# KiCad board misrc_v2.5-rounded.kicad_pcb (continued)
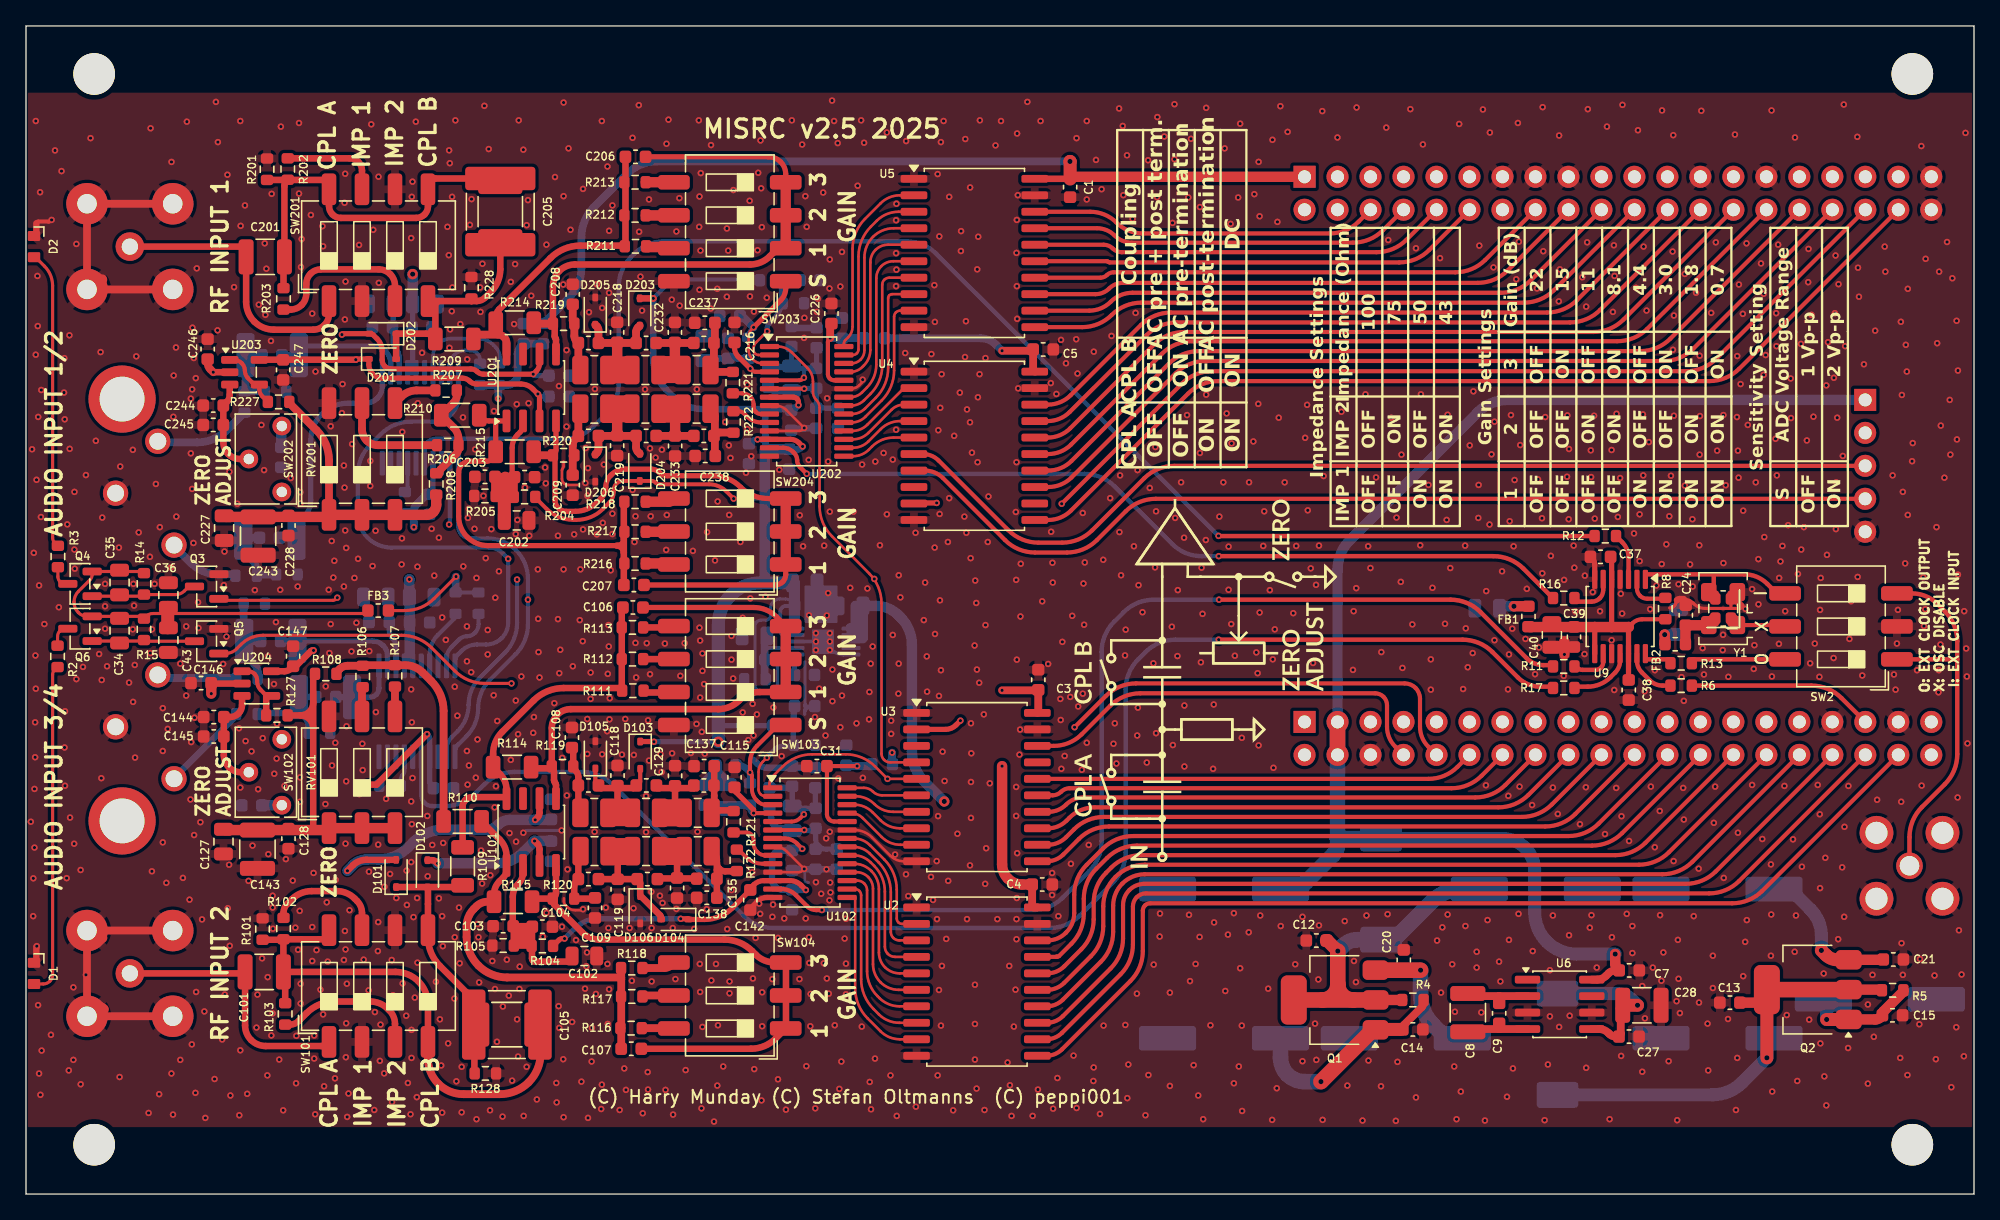
[diagram p0: board, top side]
## Routing (per net, layer and track width the routed paths; a pad name or vN(x,y) marks a point on that pad's centre or on a via; arc(x,y) is an arc through that point) (continued)
Net-(C107-Pad2): length 41
  Top w0.5: U101.4 40.81,23.18 arc(40.78,23.02) 40.69,22.88 40.58,22.77 ; 40.56,22.74 40.56,22.59 arc(40.6,22.43) 40.68,22.3 42.83,20.16 arc(43.44,19.75) 44.15,19.61 53.78,19.61 arc(54.94,19.38) 55.92,18.72 56.19,18.45 arc(56.87,18) 57.66,17.84 58.52,17.84 58.52,12.76 ; 40.56,22.74 arc(40.57,22.75) 40.58,22.76 ; 40.56,22.74 arc(40.56,22.75) 40.54,22.76 ; 40.58,22.76 40.61,22.76 ; 40.58,22.76 arc(40.58,22.77) 40.58,22.77 ; 40.54,22.76 39.37,22.76 arc(39.22,22.73) 39.08,22.64 R115.2 ; 40.54,22.76 arc(40.56,22.76) 40.58,22.77 ; C107.2 55.83,11.19 arc(56.85,11.4) 57.72,11.98 SW104.1
Net-(C108-Pad2): length 5.4
  Top w0.5: 42.69,29.19 42.61,29.27 arc(42.55,29.36) 42.53,29.46 42.53,32.13 arc(42.48,32.39) 42.33,32.61 42.14,32.8 42.14,34.15 arc(42.12,34.21) 42.09,34.27 42.04,34.32
Net-(C109-Pad1): length 5.6
  Top w0.5: C109.1 43.78,22.79 arc(43.75,22.77) 43.71,22.76 42.25,22.76 ; 42.19,22.73 42.16,22.71 ; 42.19,22.73 arc(42.21,22.76) 42.21,22.8 ; 42.19,22.73 arc(42.22,22.75) 42.25,22.76 ; 42.25,22.76 arc(42.22,22.77) 42.21,22.8 ; 42.7,26.46 42.62,26.37 arc(42.55,26.28) 42.53,26.17 42.53,24.49 arc(42.49,24.28) 42.37,24.11 arc(42.26,23.93) 42.21,23.72 42.21,22.8
Net-(C127-Pad1): length 29.6
  Top w0.5: 21.13,36.88 R127.1 ; 21.13,36.88 arc(21.83,37.17) 22.12,37.86 ; 21.13,36.88 arc(21.83,36.59) 22.12,35.9 ; 22.12,37.86 22.12,40.21 arc(22.12,40.21) 22.12,40.21 22.25,40.21 ; 22.12,37.86 22.12,35.9 ; 22.12,35.9 22.12,28.04
  Top w0.8: C127.1 15.24,28.07 arc(15.27,28.05) 15.31,28.04 C143.2 23.07,28.04 arc(23.17,28.06) 23.26,28.12 arc(23.34,28.18) 23.44,28.19 SW102.3
Net-(C129-Pad2): length 6.9
  Top w0.5: 49.96,29.19 50.65,29.19 ; 49.96,29.19 49.9,29.19 ; 49.96,29.19 arc(49.95,29.2) 49.95,29.22 ; 49.9,29.19 48.82,29.19 ; 49.9,29.19 arc(49.93,29.2) 49.95,29.22 ; 51.42,31.28 51.42,31.28 arc(51.42,31.28) 51.42,31.28 48.54,31.28 ; 49.98,31.27 49.98,29.27 arc(49.97,29.24) 49.95,29.22
Net-(C130-Pad2): length 7.3
  Top w0.5: 50.13,24.41 50.13,26.25 50.03,26.36 ; 51.65,24.28 51.63,24.3 arc(51.61,24.31) 51.58,24.32 48.62,24.32 ; 49.79,26.46 48.83,26.46 ; 49.79,26.46 50.07,26.46 ; 49.79,26.46 arc(49.92,26.43) 50.03,26.36 ; 50.07,26.46 50.65,26.46 ; 50.07,26.46 arc(50.02,26.42) 50.03,26.36
Net-(C134-Pad2): length 6.3
  Top w0.5: 52.97,31.28 52.97,31.31 arc(52.98,31.33) 52.98,31.33 ; R121.1 54.46,29.54 arc(54.42,29.56) 54.39,29.56 53.37,29.56 arc(53.1,29.68) 52.99,29.95 ; 52.99,31.36 52.99,32.84 ; 52.99,31.36 52.99,31.33 ; 52.99,31.36 arc(52.99,31.34) 52.98,31.33 ; 52.99,30.71 52.99,29.95 ; 52.99,30.71 52.99,31.33 ; 52.99,30.71 52.99,29.95 ; 52.99,29.95 52.99,29.52 arc(52.97,29.4) 52.89,29.29 52.8,29.19 ; 52.99,31.33 arc(52.99,31.34) 52.98,31.33
Net-(C135-Pad2): length 6.1
  Top w0.5: 53.2,24.98 53.2,25.52 ; 53.2,24.98 53.2,22.7 ; 53.2,24.98 arc(53.27,25.08) 53.39,25.06 ; 53.2,25.52 53.2,25.77 arc(53.15,26.04) 53,26.26 52.8,26.46 ; 53.2,25.52 arc(53.25,25.27) 53.39,25.06 ; R122.1 54.37,24.89 arc(54.36,24.88) 54.35,24.88 arc(54.34,24.87) 54.32,24.87 53.85,24.87 arc(53.6,24.92) 53.39,25.06
Net-(C201-Pad2): length 31.3
  Top w0.5: C205.1 31.5,78.25 arc(31.29,78.2) 31.11,78.09 arc(31,77.91) 30.95,77.7 30.95,76.12 arc(30.88,75.77) 30.69,75.47 arc(30.39,75.28) 30.05,75.21 24.25,75.21 arc(23.9,75.28) 23.6,75.48 arc(23.4,75.77) 23.33,76.12 23.33,77.96 arc(23.32,78.02) 23.28,78.08 arc(23.22,78.12) 23.15,78.14 20.12,78.14 ; 20.12,78.14 20.1,78.14 ; 20.12,78.14 arc(20.12,78.14) 20.12,78.14 ; 20.1,78.14 R201.2 ; 20.1,78.14 arc(20.11,78.14) 20.12,78.14 ; R203.2 19.83,72.08 arc(19.84,72.13) 19.86,72.17 arc(19.89,72.21) 19.9,72.26 19.9,77.71 arc(19.93,77.88) 20.03,78.02 20.15,78.14 arc(20.15,78.15) 20.14,78.15 20.13,78.15 arc(20.13,78.15) 20.12,78.14
Net-(C206-Pad2): length 43.2
  Top w0.4: 47.71,79.92 57.17,79.92 arc(57.68,79.82) 58.11,79.53 arc(58.4,79.09) 58.5,78.58 SW203.4
  Top w0.5: 40.58,67.06 40.64,67 arc(40.69,66.92) 40.71,66.83 40.71,66.09 arc(40.72,66.02) 40.76,65.96 arc(40.8,65.91) 40.81,65.84 U201.5 ; 40.58,67.06 40.57,67.07 ; 40.58,67.06 arc(40.58,67.07) 40.58,67.07 ; 40.58,67.07 40.58,69.93 arc(40.7,70.58) 41.07,71.13 arc(41.62,71.49) 42.27,71.62 55.76,71.62 arc(56.58,71.78) 57.27,72.25 57.69,72.66 arc(57.92,72.82) 58.2,72.88
  Top w0.6: 39.09,67.07 40.57,67.07 arc(40.57,67.07) 40.57,67.07
  Top w0.8: SW203.4 SW203.3 ; SW203.3 58.5,75.42 ; SW203.3 58.5,75.41 ; SW203.3 58.5,75.41 ; 58.5,75.41 58.5,73.18 arc(58.41,72.96) 58.2,72.88
Net-(C207-Pad2): length 45.8
  Top w0.4: SW204.3 57.14,53.59 arc(56,53.82) 55.02,54.47 arc(54.05,55.12) 52.9,55.35 49.37,55.35 arc(49.04,55.41) 48.76,55.6 arc(48.48,55.79) 48.15,55.85 46.12,55.85 arc(45.56,55.74) 45.08,55.42 45.01,55.35 arc(44.74,54.95) 44.65,54.48 arc(44.55,54.01) 44.29,53.62 43.96,53.29 arc(43.2,52.78) 42.31,52.6 41.6,52.6 arc(41.27,52.67) 40.99,52.86 arc(40.8,53.14) 40.74,53.47 40.74,56.65 arc(40.71,56.75) 40.66,56.84 ; SW204.1 58.5,47.74 arc(58.44,47.43) 58.26,47.17 arc(58,46.99) 57.68,46.93 C207.2 ; U201.4 40.81,57.32 arc(40.78,57.17) 40.69,57.04 40.66,57 arc(40.62,56.92) 40.66,56.84 ; 40.66,56.84 arc(40.57,56.9) 40.46,56.92
  Top w0.6: R215.2 39.23,57.06 arc(39.38,56.96) 39.56,56.92 40.46,56.92 arc(40.57,56.94) 40.66,57
  Top w0.8: SW204.1 SW204.3
Net-(C208-Pad2): length 5.2
  Top w0.6: C208.2 42.1,67.28 arc(42.12,67.2) 42.16,67.13 arc(42.21,67.06) 42.22,66.98 42.22,66.1 arc(42.26,65.9) 42.38,65.73 arc(42.49,65.56) 42.53,65.36 42.53,63.75 arc(42.55,63.65) 42.61,63.57 L201.1
Net-(C209-Pad1): length 5.5
  Top w0.6: 42.1,56.83 C209.1 ; 42.1,56.83 42.1,56.91 ; 42.1,56.83 arc(42.11,56.87) 42.12,56.89 ; R220.2 42.19,56.92 arc(42.15,56.91) 42.12,56.89 ; 42.1,56.91 42.1,57.68 arc(42.16,57.96) 42.32,58.2 arc(42.48,58.44) 42.53,58.72 42.53,60.25 arc(42.55,60.35) 42.61,60.43 L202.2 ; 42.1,56.91 arc(42.11,56.89) 42.12,56.89
Net-(C227-Pad1): length 27.7
  Top w0.6: R227.1 20.28,60.99 arc(20.28,60.95) 20.31,60.92 22.38,58.84 arc(23.09,57.79) 23.33,56.54 23.33,52.44 arc(23.37,52.36) 23.45,52.33
  Top w0.8: C227.1 15.3,52.22 arc(15.35,52.18) 15.4,52.17 C243.2 23.07,52.17 arc(23.17,52.19) 23.26,52.25 ; R208.2 31.59,53.09 arc(31.53,52.8) 31.36,52.55 arc(31.12,52.39) 30.82,52.33 SW202.3 23.45,52.33 arc(23.34,52.31) 23.26,52.25 ; 23.26,52.25 arc(23.31,52.34) 23.33,52.44
Net-(C229-Pad2): length 7.3
  Top w0.6: C234.1 C229.2
  Top w0.8: 49.82,63.63 49.97,63.78 C232.2 ; 49.82,63.63 arc(49.66,63.53) 49.47,63.49 ; 49.82,63.63 arc(49.8,63.54) 49.88,63.49 ; 49.47,63.49 L203.2 ; 49.47,63.49 49.88,63.49 ; 49.88,63.49 L205.1
Net-(C230-Pad2): length 7.3
  Top w0.6: C230.2 C235.1
  Top w0.8: 49.46,60.51 L204.1 ; 49.46,60.51 49.89,60.51 ; 49.46,60.51 arc(49.66,60.47) 49.83,60.35 ; 49.83,60.35 49.98,60.2 C233.2 ; 49.83,60.35 arc(49.81,60.45) 49.89,60.51 ; 49.89,60.51 L206.2
Net-(C234-Pad2): length 5.4
  Top w0.6: C237.2 53.05,65.7 arc(53.04,65.65) 53.01,65.61 arc(52.98,65.57) 52.97,65.52 52.97,63.94 arc(52.94,63.77) 52.84,63.62 52.78,63.56 arc(52.75,63.49) 52.78,63.42 arc(52.86,63.36) 52.96,63.34 54.38,63.34
Net-(C235-Pad2): length 5.4
  Top w0.6: L206.1 52.88,60.34 arc(53,60.15) 53.05,59.94 53.05,56.87 ; C235.2 53.1,58.54 arc(53.25,58.64) 53.42,58.67 54.5,58.67
Net-(C302-Pad1): length 7
  Bottom w0.5: C303.1 16.91,64.64 arc(16.91,64.63) C302.1
  Bottom w0.6: R303.2 18.38,61.84 arc(18.36,61.85) 18.34,61.86 16.89,61.86 arc(16.86,61.87) 16.87,61.9 arc(16.9,61.95) 16.91,62.01 C302.1 arc(16.91,64.63) 16.91,64.64 ; 16.86,64.52 16.86,65.9 ; 16.91,64.64 16.87,64.67 ; 16.91,64.64 arc(16.91,64.63) 16.91,64.64
Net-(C304-Pad1): length 5.9
  Bottom w0.6: 17.97,50.56 17.97,50.56 arc(17.97,50.57) 17.97,50.57 16.75,50.57 arc(16.74,50.57) 16.74,50.56 arc(16.74,50.56) 16.73,50.55 16.73,50.04 arc(16.83,49.57) 17.1,49.16 17.44,48.82 arc(17.65,48.51) 17.72,48.14 17.72,47.74 arc(17.72,47.74) 17.73,47.74 arc(17.73,47.74) 17.73,47.73 R304.2
Net-(C402-Pad1): length 7.4
  Bottom w0.6: R403.2 16.76,42.7 arc(16.76,42.67) 16.78,42.64 16.8,42.62 ; 17.85,39.75 17.85,40.17 arc(17.77,40.56) 17.55,40.89 17.15,41.28 arc(16.9,41.67) 16.81,42.12 16.81,42.6 ; 16.81,42.6 arc(16.81,42.61) 16.8,42.62 ; 16.81,42.6 arc(16.81,42.61) 16.81,42.61 ; 16.8,42.62 16.81,42.61 ; 16.81,42.61 arc(16.82,42.6) 16.83,42.6 18.05,42.6 arc(18.06,42.6) 18.06,42.61 18.05,42.61
Net-(C404-Pad1): length 7.5
  Bottom w0.5: 17.84,37.06 20.25,37.06 arc(20.54,37.12) 20.79,37.28 arc(20.96,37.53) 21.02,37.83 21.02,37.9 21.02,37.75 arc(21.12,37.26) 21.4,36.84 21.45,36.79 arc(21.69,36.43) 21.77,36 R404.2 ; C404.1 21.03,38.3
Net-(D1-A): length 25.5
  Top w0.24: 0.8,16.19 1.32,16.19 arc(1.6,16.24) 1.84,16.4 arc(2,16.63) 2.05,16.91 2.05,40.02 arc(2.1,40.24) 2.22,40.43 2.38,40.59 arc(2.4,40.6) 2.41,40.6 2.37,40.6
Net-(D2-A): length 22.8
  Top w0.24: R3.2 2.44,49.95 arc(2.42,49.95) 2.41,49.96 2.24,50.13 arc(2.1,50.34) 2.05,50.58 2.05,69.98 arc(1.89,70.8) 1.43,71.49 0.82,72.09 arc(0.81,72.12) 0.8,72.15 0.8,72.19
Net-(D101-K): length 20.6
  Top w0.5: 33.62,23.66 33.62,23.66 arc(33.61,23.65) 33.61,23.65 D101.1 ; 34.58,9.47 34.55,9.5 arc(34.53,9.52) 34.53,9.56 34.53,14.05 arc(34.37,14.85) 33.91,15.53 31.88,17.57 arc(31.19,18.59) 30.95,19.8 30.95,23.55 arc(30.95,23.58) 30.93,23.6 D102.2
Net-(D103-A): length 9.8
  Top w0.32: 43.84,32.56 43.84,31.69 arc(43.87,31.53) 43.96,31.4 arc(44.09,31.31) 44.25,31.28 ; 47.3,32.61 47.3,31.8 arc(47.26,31.6) 47.14,31.43 arc(46.98,31.32) 46.78,31.28
  Top w0.5: 45.55,31.37 45.55,29.3 arc(45.54,29.26) 45.52,29.22 ; 46.78,31.28 44.25,31.28 ; 45.53,29.19 45.44,29.19 ; 45.53,29.19 46.67,29.19 ; 45.53,29.19 arc(45.51,29.2) 45.52,29.22 ; 45.44,29.19 44.84,29.19 ; 45.44,29.19 arc(45.48,29.2) 45.52,29.22
Net-(D104-A): length 11.5
  Top w0.32: 43.97,24.16 43.86,24.05
  Top w0.5: 48.91,21.18 48.91,21.28 arc(48.89,21.38) 48.84,21.46 47.29,23.01 47.29,23.94 arc(47.27,24.08) 47.18,24.21 47.1,24.29 arc(47.07,24.3) 47.05,24.29 arc(47.02,24.27) 46.98,24.26 44.24,24.26 arc(44.09,24.24) 43.97,24.16 ; C119.2 45.56,26.15 arc(45.58,26.27) 45.65,26.37 ; 45.61,26.46 44.85,26.46 ; 45.61,26.46 45.86,26.46 ; 45.61,26.46 arc(45.66,26.43) 45.65,26.37 ; 45.86,26.46 46.67,26.46 ; 45.86,26.46 arc(45.75,26.43) 45.65,26.37
Net-(D201-A): length 17.1
  Top w0.4: R228.1 34.3,68.81 arc(34.3,68.81) 34.31,68.81 arc(34.31,68.8) 34.31,68.8
  Top w0.5: 28.5,64.34 28.5,66.25 arc(28.5,66.26) 28.51,66.28 arc(28.53,66.29) 28.54,66.29 30.82,66.29 arc(31.09,66.24) 31.32,66.09 arc(31.45,66.06) 31.52,66.17 31.52,68.51 arc(31.54,68.62) 31.61,68.72 ; C205.2 36.52,71.25 arc(36.34,70.31) 35.81,69.52 35.37,69.08 arc(35.06,68.87) 34.7,68.8 34.3,68.8 ; 31.57,68.8 31.81,68.8 ; 31.57,68.8 SW201.4 ; 31.57,68.8 arc(31.62,68.77) 31.61,68.72 ; 31.81,68.8 34.3,68.8 ; 31.81,68.8 arc(31.7,68.78) 31.61,68.72 ; 34.3,68.8 arc(34.31,68.8) 34.31,68.81
Net-(D203-A): length 9.9
  Top w0.6: D203.2 47.12,66.77 arc(47.01,66.61) 46.98,66.42 46.98,65.57 C210.2 44.08,66.56 arc(44.05,66.72) 43.96,66.86 D205.1
  Top w0.8: 45.68,63.49 45.55,63.49 ; 45.68,63.49 L203.1 ; 45.68,63.49 arc(45.62,63.5) 45.57,63.53 ; 45.55,63.49 L201.2 ; 45.55,63.49 arc(45.57,63.51) 45.57,63.53 ; C218.2 45.52,63.64 arc(45.53,63.58) 45.57,63.53
Net-(D204-A): length 10.3
  Top w0.6: 47.26,57.04 47.12,57.19 arc(47.01,57.34) 46.98,57.53 46.98,58.41 C217.2 44.08,57.41 arc(44.05,57.25) 43.96,57.11 D206.1
  Top w0.8: 46.11,60.51 L204.2 ; 46.11,60.51 45.62,60.51 ; 46.11,60.51 arc(45.88,60.46) 45.69,60.34 ; 45.52,58.44 45.52,59.92 arc(45.57,60.15) 45.69,60.34 ; 45.62,60.51 L202.1 ; 45.62,60.51 arc(45.72,60.45) 45.69,60.34
Net-(J1-DQ0): length 78.2
  Top w0.32: U2.11 78.58,10.65 arc(79.23,10.78) 79.78,11.15 85.04,16.42 arc(85.75,17.48) 86,18.73 86,21.84 arc(86.04,22.05) 86.16,22.24 arc(86.35,22.36) 86.56,22.4 131.38,22.4 arc(132.63,22.65) 133.69,23.36 J1.38
Net-(J1-DQ1): length 75.1
  Top w0.32: J1.36 131.91,24.12 arc(130.85,23.41) 129.61,23.16 86.23,23.16 arc(85.85,23.09) 85.53,22.87 arc(85.31,22.55) 85.24,22.17 85.24,19.23 arc(84.99,17.98) 84.28,16.92 79.78,12.42 arc(79.23,12.05) 78.58,11.92 U2.12
Net-(J1-DQ2): length 72
  Top w0.32: J1.34 130.11,24.86 arc(129.05,24.15) 127.8,23.9 86.12,23.9 arc(85.49,23.78) 84.96,23.42 arc(84.6,22.88) 84.47,22.25 84.47,19.69 arc(84.23,18.44) 83.52,17.38 79.84,13.71 arc(79.27,13.33) 78.6,13.19 U2.13
Net-(J1-DQ3): length 68.7
  Top w0.32: U2.14 78.6,14.46 arc(79.27,14.6) 79.84,14.98 82.76,17.89 arc(83.46,18.95) 83.71,20.2 83.71,22.21 arc(83.9,23.14) 84.42,23.93 arc(85.21,24.45) 86.14,24.64 126,24.64 arc(127.25,24.89) 128.31,25.59 J1.32
Net-(J1-DQ4): length 65.5
  Top w0.32: J1.30 126.5,26.33 arc(125.44,25.62) 124.2,25.37 86.16,25.37 arc(84.93,25.13) 83.89,24.43 arc(83.19,23.39) 82.95,22.17 82.95,20.63 arc(82.7,19.38) 81.99,18.32 79.95,16.28 arc(79.35,15.87) 78.64,15.73 U2.15
Net-(J1-DQ5): length 62.3
  Top w0.32: U2.16 78.64,17 arc(79.35,17.14) 79.95,17.55 81.26,18.86 arc(81.96,19.91) 82.21,21.16 82.21,22.45 arc(82.46,23.7) 83.17,24.76 83.57,25.15 arc(84.63,25.86) 85.88,26.11 122.39,26.11 arc(123.64,26.36) 124.7,27.07 J1.28
Net-(J1-DQ6): length 59.2
  Top w0.32: J1.26 122.9,27.8 arc(121.84,27.1) 120.59,26.85 85.55,26.85 arc(84.3,26.6) 83.24,25.89 82.41,25.06 arc(81.7,24) 81.45,22.75 81.45,21.6 arc(81.2,20.35) 80.5,19.29 79.55,18.34 arc(79.49,18.3) 79.42,18.29 79.35,18.29 arc(79.34,18.29) 79.34,18.28 arc(79.33,18.28) 79.32,18.27 U2.17
Net-(J1-DQ7): length 56
  Top w0.32: J1.24 121.09,28.54 arc(120.03,27.83) 118.79,27.58 85.24,27.58 arc(83.99,27.34) 82.93,26.63 81.67,25.37 arc(80.96,24.31) 80.71,23.06 80.71,21.65 arc(80.55,20.84) 80.1,20.16 80.05,20.11 arc(79.42,19.69) 78.68,19.54 U2.18
Net-(J1-DQ8): length 49
  Top w0.32: J1.22 119.29,29.28 arc(118.23,28.57) 116.98,28.32 83.39,28.32 arc(82.14,28.07) 81.08,27.36 79.88,26.16 arc(79.3,25.78) 78.62,25.64 U3.11
Net-(J1-DQ9): length 45.9
  Top w0.32: U3.12 78.69,26.91 arc(79.45,27.06) 80.08,27.49 80.7,28.1 arc(81.76,28.81) 83.01,29.06 115.18,29.06 arc(116.43,29.31) 117.49,30.01 J1.20
Net-(J1-DQ10): length 42.9
  Top w0.32: U3.13 78.7,28.18 arc(79.47,28.33) 80.12,28.77 80.34,28.99 arc(81.23,29.58) 82.29,29.79 113.37,29.79 arc(114.62,30.04) 115.68,30.75 J1.18
Net-(J1-DQ11): length 39.9
  Top w0.32: J1.16 113.91,31.51 arc(112.85,30.8) 111.6,30.56 81.42,30.56 arc(80.7,30.41) 80.09,30 arc(79.47,29.59) 78.75,29.45 U3.14
Net-(J1-DQ12): length 36.9
  Top w0.32: J1.14 112.08,32.22 arc(111.02,31.52) 109.77,31.27 80.36,31.27 arc(80.01,31.2) 79.7,30.99 arc(79.4,30.79) 79.04,30.72 U3.15
Net-(J1-DQ13): length 33.9
  Top w0.32: J1.12 110.23,32.91 arc(109.2,32.23) 108,31.99 U3.16
Net-(J1-DQ15): length 33.1
  Top w0.32: J1.8 105.44,34.47 arc(104.97,35.17) 104.8,36 104.8,37.66 arc(104.73,38.01) 104.53,38.31 arc(104.23,38.51) 103.88,38.58 85.8,38.58 arc(84.55,38.33) 83.49,37.63 81.29,35.42 arc(80.3,34.76) 79.14,34.53 U3.18
Net-(J1-PCLK): length 14.4
  Top w0.338: J1.35 139.79,38.22 arc(138.73,38.93) 137.48,39.17 R6.2
Net-(J2-DQ16): length 76
  Top w0.32: U4.11 78.71,51.94 arc(79.66,52.12) 80.47,52.67 89.49,61.68 arc(90.55,62.39) 91.8,62.64 129.61,62.64 arc(130.86,62.88) 131.92,63.59 J2.38
Net-(J2-DQ18): length 69.9
  Top w0.32: J2.34 128.39,65.14 arc(127.33,64.43) 126.08,64.19 90.83,64.19 arc(89.58,63.94) 88.52,63.23 80.51,55.21 arc(79.69,54.67) 78.72,54.47 U4.13
Net-(J2-DQ19): length 66.8
  Top w0.32: J2.32 126.61,65.9 arc(125.55,65.2) 124.31,64.95 90.32,64.95 arc(89.07,64.7) 88.01,63.99 80.51,56.48 arc(79.69,55.94) 78.72,55.75 U4.14
Net-(J2-DQ20): length 63.7
  Top w0.32: J2.30 124.84,66.67 arc(123.78,65.96) 122.53,65.71 89.79,65.71 arc(88.54,65.46) 87.48,64.75 80.47,57.75 arc(79.66,57.2) 78.71,57.02 U4.15
Net-(J2-DQ21): length 60.7
  Top w0.32: J2.28 123.01,67.38 arc(121.95,66.67) 120.7,66.42 89.18,66.42 arc(87.93,66.17) 86.87,65.46 80.4,59 arc(79.61,58.47) 78.68,58.28 77.68,58.28
Net-(J2-DQ22): length 57.6
  Top w0.32: J2.26 121.2,68.11 arc(120.14,67.41) 118.9,67.16 88.62,67.16 arc(87.37,66.91) 86.31,66.2 80.37,60.26 arc(79.59,59.74) 78.67,59.56 U4.17
Net-(J2-DQ23): length 54.5
  Top w0.32: U4.18 78.7,60.83 arc(79.64,61.01) 80.44,61.55 85.85,66.96 arc(86.91,67.67) 88.16,67.92 117.12,67.92 arc(118.37,68.17) 119.43,68.88 J2.24
Net-(J2-DQ24): length 49.5
  Top w0.32: J2.22 117.65,69.64 arc(116.59,68.93) 115.34,68.68 85.88,68.68 arc(84.65,68.44) 83.61,67.74 arc(82.56,67.04) 81.33,66.79 U5.11
Net-(J2-DQ25): length 46.5
  Top w0.32: J2.20 115.87,70.4 arc(114.81,69.69) 113.56,69.44 85.2,69.44 arc(84.29,69.26) 83.53,68.75 arc(82.77,68.24) 81.87,68.06 U5.12
Net-(J2-DQ26): length 43.5
  Top w0.32: U5.13 82.35,69.33 arc(82.92,69.45) 83.4,69.77 arc(83.89,70.09) 84.45,70.2 111.78,70.2 arc(113.03,70.45) 114.09,71.16 J2.18
Net-(J2-DQ27): length 40.5
  Top w0.32: J2.16 112.36,71.97 arc(111.31,71.27) 110.06,71.02 83.74,71.02 arc(83.47,70.96) 83.24,70.81 arc(83.01,70.66) 82.74,70.6 U5.14
Net-(J2-DQ28): length 35
  Top w0.32: J2.12 108.05,72.74 arc(106.99,72.03) 105.74,71.78 83.45,71.78 arc(83.39,71.79) 83.33,71.83 arc(83.28,71.86) 83.22,71.87 U5.15
Net-(J2-DQ29): length 32.3
  Top w0.32: U5.16 82.98,73.14 arc(83.36,73.07) 83.68,72.86 arc(84,72.64) 84.37,72.57 103.99,72.57 arc(105.23,72.82) 106.29,73.52 J2.10
Net-(J2-DQ30): length 29.6
  Top w0.32: J2.8 104.49,74.26 arc(103.43,73.55) 102.18,73.3 85.16,73.3 arc(84.43,73.45) 83.82,73.86 arc(83.2,74.27) 82.48,74.41 U5.17
Net-(J2-DQ31): length 26.9
  Top w0.32: U5.18 81.96,75.68 arc(83.05,75.47) 83.97,74.85 arc(84.89,74.23) 85.98,74.02 100.42,74.02 arc(101.61,74.25) 102.62,74.93 J2.6
Net-(J4-Pin_1): length 30
  Top w0.32: 144.54,46.36 144.49,46.32 arc(144.45,46.29) 144.39,46.28 144.26,46.28
  Top w0.338: SW2.1 148.71,41.2 ; 144.26,46.28 145.22,46.28 arc(146.29,46.07) 147.19,45.46 147.75,44.9 arc(148.46,43.84) 148.71,42.59 148.71,33.89 arc(148.46,32.64) 147.75,31.58 145.99,29.81 arc(145.28,28.75) 145.03,27.5 J4.1
Net-(J101-Signal): length 21.1
  Top w0.5: 16.85,17.13 16.83,17.15 ; 16.85,17.13 arc(16.86,17.11) 16.85,17.09 ; 16.85,17.13 arc(16.87,17.11) 16.87,17.09 ; 7.64,17 16.68,17 arc(16.75,17.01) 16.81,17.06 16.85,17.09 ; 16.85,17.09 arc(16.86,17.1) 16.87,17.09 ; 16.87,17.09 16.87,12.99 arc(16.99,12.38) 17.33,11.87 arc(17.85,11.52) 18.46,11.4 23.21,11.4 arc(23.26,11.41) 23.3,11.44 arc(23.32,11.48) 23.33,11.53 SW101.1
Net-(J201-Signal): length 22.3
  Top w0.5: 16.95,72.21 16.95,72.8 arc(16.94,72.88) 16.89,72.94 arc(16.83,72.98) 16.75,73 8.11,73 ; 16.95,72.21 16.95,72.2 ; 16.95,72.21 16.95,72.21 ; 16.95,72.21 arc(16.95,72.21) 16.95,72.2 ; SW201.1 23.33,67.81 arc(23.24,67.35) 22.98,66.95 arc(22.59,66.69) 22.12,66.6 19.09,66.6 arc(18.27,66.76) 17.58,67.23 arc(17.11,67.92) 16.95,68.74 16.95,72.2 ; 8.12,72.22 8.11,72.21
Net-(Q1-B): length 16.5
  Top w0.6: R4.2 107.62,14.75 arc(107.58,14.55) 107.47,14.39 106.11,13.03 arc(106.04,12.93) 106.02,12.81 arc(105.98,12.72) 105.89,12.68 ; 103.94,12.67 arc(103.92,12.66) 103.9,12.65
  Top w1: 105.89,12.68 103.97,12.68 arc(103.95,12.68) 103.94,12.67
  Top w1.2: 103.9,12.65 103.81,12.65 arc(103.71,12.63) 103.63,12.58 v2(99.71,8.66)
  Bottom w1.2: v2(99.71,8.66) 98.45,8.66 arc(97.74,8.8) 97.14,9.2 arc(96.74,9.8) 96.6,10.51 C16.1
Net-(Q2-B): length 8.6
  Top w0.8: Q2.1 142.39,13.45 arc(142.6,13.49) 142.78,13.61 142.87,13.7 arc(142.93,13.78) 142.95,13.88 arc(142.97,13.98) 143.02,14.06 144.56,15.6 ; 144.58,15.67 R5.2
  Top w1: v2(138.65,13.45) Q2.1
  Bottom w1: C17.2 138.53,14.88 arc(138.62,14.74) 138.65,14.57 v2(138.65,13.45)
Net-(Q2-C): length 36.6
  Top w0.8: C13.1 133.87,14.75 arc(133.94,14.76) 134,14.8 arc(134.03,14.86) 134.05,14.93 134.05,15.3 ; Q2.2 142.86,15.75
  Top w1: v2(134.05,10.5) 134.05,15.3 arc(134.18,15.62) 134.5,15.75
  Top w1.2: Q2.2 134.5,15.75 arc(134.18,15.62) 134.05,15.3
  Bottom w1: L2.2 129.84,7.64 arc(131.09,7.89) 132.15,8.6 v2(134.05,10.5) 134.05,11.06 arc(134.12,11.42) 134.32,11.72 arc(134.36,11.9) 134.21,12 133.56,12
Net-(Q3-D): length 7.7
  Top w0.24: Q4.1 8.87,46.06 arc(8.96,46.08) 9.02,46.13 arc(9.09,46.17) 9.18,46.19 11.53,46.19 arc(11.89,46.26) 12.19,46.46 12.44,46.71 arc(12.46,46.74) 12.47,46.77 12.47,46.81
Net-(Q4-D): length 1.9
  Top w0.24: 2.74,47.01 3,47.01 arc(2.8,47.05) 2.63,47.17 2.62,47.18 arc(2.5,47.36) 2.46,47.58 R3.1
Net-(Q5-D): length 7.4
  Top w0.24: 12.47,42.6 9.24,42.6 arc(9.18,42.61) 9.13,42.64 9.12,42.65 arc(9.09,42.66) 9.05,42.65 arc(9.01,42.62) 8.96,42.61 Q6.1